# KiCad board Ultrasonic Sound Steering - Driver Rev. C.kicad_pcb (continued)
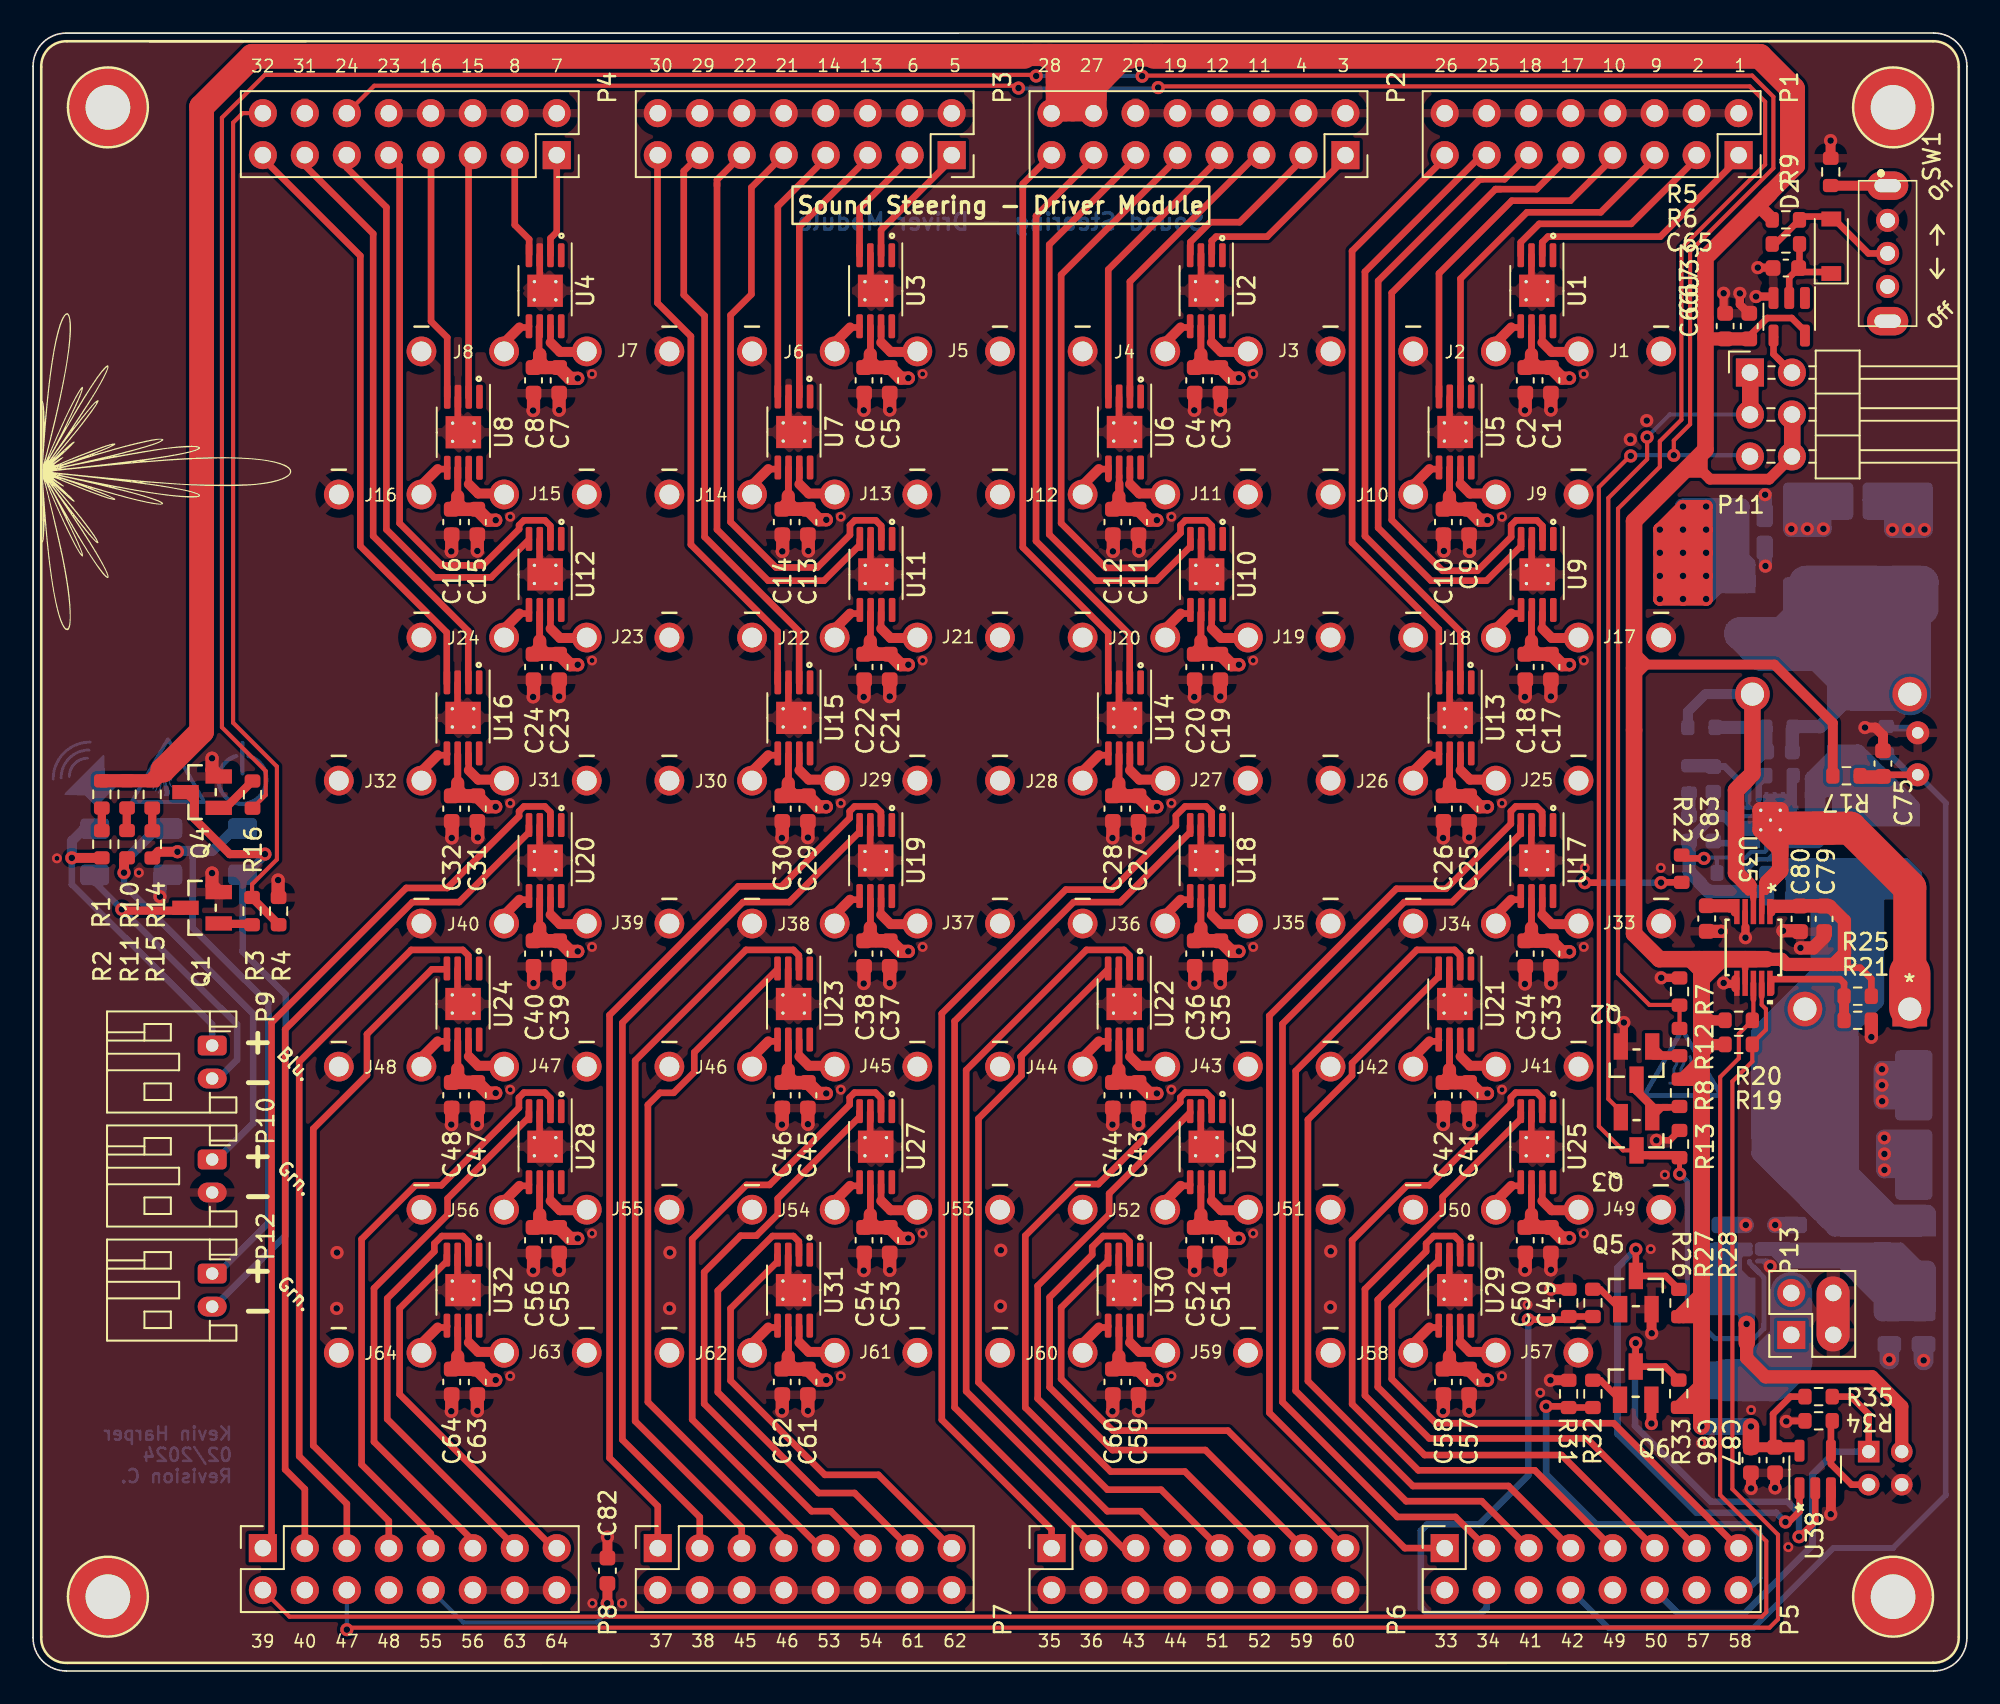
[diagram p0: board, top side]
## Routing (per net, layer and track width the routed paths; a pad name or vN(x,y) marks a point on that pad's centre or on a via; arc(x,y) is an arc through that point) (continued)
/Transducers & Drive/1: length 14.8
  Top w0.4: U1.2 91.3,86.48 91.64,86.82 98.45,86.82 103.18,91.56
/Transducers & Drive/2: length 13.5
  Top w0.4: U1.4 90,86.48 91.12,87.6 96.68,87.6 100.64,91.56
/Transducers & Drive/3: length 10.9
  Top w0.4: 79.4,91.56 74.66,86.82 71.57,86.82 71.31,86.56 71.31,85.78
/Transducers & Drive/4: length 9.7
  Top w0.4: 76.86,91.56 73,87.7 71.22,87.7 70.01,86.49 70.01,85.78
/Transducers & Drive/5: length 7.6
  Top w0.4: 55.57,91.49 51.3,87.22 U3.2 ; 55.57,91.69 P3.1
/Transducers & Drive/6: length 7.1
  Top w0.4: U3.4 50,88.52 53.03,91.56
/Transducers & Drive/7: length 6
  Top w0.4: U4.2 31.3,86.72 31.68,87.1 31.68,91.56
/Transducers & Drive/8: length 6.2
  Top w0.4: 29.14,91.56 29.14,87.53 30.01,86.66 30.01,85.76
/Transducers & Drive/9: length 21.9
  Top w0.4: 98.1,91.56 94.84,88.3 90.38,88.3 86.36,84.28 U5.2
/Transducers & Drive/10: length 20.8
  Top w0.4: U5.4 85.06,84.59 89.46,89 93,89 95.56,91.56
/Transducers & Drive/11: length 18.5
  Top w0.4: 74.02,91.46 P2.5 74.02,91.76 66.36,84.1 U6.2
/Transducers & Drive/12: length 17.2
  Top w0.4: 65.05,77.1 65.05,84.83 71.78,91.56
/Transducers & Drive/13: length 16.1
  Top w0.4: U7.2 46.36,87.42 50.49,91.56
/Transducers & Drive/14: length 15.6
  Top w0.4: 47.95,91.56 45.06,88.66 U7.4
/Transducers & Drive/15: length 14.9
  Top w0.4: 26.35,77.08 26.35,91.5 ; 26.35,91.5 P4.5 ; 26.35,91.5 26.28,91.43
/Transducers & Drive/16: length 14.8
  Top w0.4: 24.08,91.74 P4.7 ; U8.4 25.06,80.72 24.08,81.7 24.08,91.54
/Transducers & Drive/17: length 41.4
  Top w0.4: 91.31,68.47 91.31,69.31 90.98,69.65 89.71,69.65 89.42,69.35 89.42,68.64 87.38,66.6 85.28,66.6 82.2,69.68 82.2,83.42 88.48,89.7 88.78,89.7 ; P1.9 90.96,89.7 88.49,89.7
/Transducers & Drive/18: length 39.1
  Top w0.4: 90.47,91.19 90.47,91.74 89.02,90.3 87.53,90.3 ; 87.68,90.3 87.53,90.3 81.38,84.14 81.38,69.2 84.58,66 87.93,66 90.01,68.08 90.01,68.47
/Transducers & Drive/19: length 37.7
  Top w0.4: 69.24,91.56 62.2,84.52 62.2,69.48 64.9,66.77 67.31,66.77 69.42,68.88 69.42,69.36 69.71,69.65 70.98,69.65 71.31,69.32 71.31,68.48
/Transducers & Drive/20: length 35.9
  Top w0.4: 66.7,91.56 61.48,86.34 61.48,68.8 64.28,66 67.95,66 70.01,68.05 70.01,68.48
/Transducers & Drive/21: length 36.9
  Top w0.4: 51.31,68.48 51.31,69.32 50.98,69.65 49.71,69.65 49.42,69.36 49.42,68.76 47.45,66.8 44.95,66.8 42.2,69.55 42.2,82.07 43.46,83.33 43.46,89.8 P3.9 45.41,91.16
/Transducers & Drive/22: length 34.6
  Top w0.4: 41.38,89.9 41.38,90.26 P3.11 ; 41.38,90.06 41.38,69.1 44.48,66 47.85,66 50.01,68.15 50.01,68.48
/Transducers & Drive/23: length 35
  Top w0.4: 31.29,68.48 31.29,69.32 30.96,69.65 29.7,69.65 29.4,69.36 29.4,69.12 27.21,66.92 24.73,66.92 22.18,69.47 22.18,91.1 P4.9
/Transducers & Drive/24: length 35
  Top w0.4: 29.99,68.48 27.71,66.2 24.28,66.2 21.38,69.1 21.38,88.6 18.98,90.99 P4.11 18.98,91.19
/Transducers & Drive/25: length 38.1
  Top w0.4: 86.35,59.79 86.35,62.93 80.58,68.7 80.58,84.7 87.64,91.76 P1.13 87.44,91.76
/Transducers & Drive/26: length 36.3
  Top w0.4: 85.4,91.56 79.8,85.95 79.8,68.31 85.05,63.06 85.05,59.79
/Transducers & Drive/27: length 35.6
  Top w0.4: 66.34,59.79 66.34,62.73 60.68,68.4 60.68,88.08 64.16,91.56
/Transducers & Drive/28: length 34.9
  Top w0.4: 65.04,59.79 65.04,62.84 59.88,68.01 59.88,89.82 ; 59.88,89.7 59.88,90.02 P2.15
/Transducers & Drive/29: length 35.3
  Top w0.4: 46.34,59.79 46.34,62.93 40.63,68.65 40.63,82.04 39.37,83.3 39.37,90.59 ; P3.13 39.37,90.79 39.37,90.5
/Transducers & Drive/30: length 34.8
  Top w0.4: 45.04,59.79 45.04,62.93 39.8,68.18 39.8,80.79 37.78,82.81 37.78,91.54 ; P3.15 37.78,91.74
/Transducers & Drive/31: length 36.5
  Top w0.4: 16.44,91.33 P4.13 16.44,91.13 20.58,87 20.58,68.7 26.33,62.94 26.33,59.79
/Transducers & Drive/32: length 36.4
  Top w0.4: 13.9,91.56 19.8,85.66 19.8,68.09 25.03,62.86 25.03,59.79
/Transducers & Drive/33: length 61.2
  Top w0.4: 91.29,51.15 91.29,52 90.96,52.33 89.7,52.33 89.4,52.04 89.4,51.27 85.48,47.35 82.48,47.35 74.79,39.66 74.8,39.65 74.8,15.63 82.99,7.44 P5.1
/Transducers & Drive/34: length 58.6
  Top w0.4: 89.99,51.15 89.99,50.69 85.85,46.54 82.96,46.54 75.59,39.17 75.59,16.28 82.54,9.32 86.06,9.32 P5.3
/Transducers & Drive/35: length 58
  Top w0.4: P6.1 61.62,8.57 54.98,15.21 54.98,39.8 62.48,47.3 65.28,47.3 69.14,51.16 69.14,51.77 69.7,52.33 70.96,52.33 71.29,52 71.29,51.15
/Transducers & Drive/36: length 54.7
  Top w0.4: P6.3 64.16,7.55 55.75,15.95 55.75,39.33 62.96,46.54 65.77,46.54 69.99,50.76 69.99,51.15
/Transducers & Drive/37: length 56.3
  Top w0.4: P7.1 37.79,9.98 34.88,12.9 34.88,39.7 42.67,47.5 45.28,47.5 49.4,51.62 49.4,52.04 49.7,52.33 50.96,52.33 51.29,52 51.29,51.15
/Transducers & Drive/38: length 53.2
  Top w0.4: 49.99,51.15 49.99,50.79 45.75,46.54 42.96,46.54 35.65,39.23 35.65,14 40.33,9.31 P7.3
/Transducers & Drive/39: length 55.5
  Top w0.4: P8.1 14.43,7.96 14.43,39.25 22.58,47.4 25.06,47.4 29.4,51.74 29.4,52.04 29.7,52.33 30.96,52.33 31.29,52 31.29,51.15
/Transducers & Drive/40: length 52
  Top w0.4: P8.3 16.44,11.01 15.25,12.2 15.25,38.83 22.96,46.54 25.77,46.54 29.99,50.76 29.99,51.15
/Transducers & Drive/41: length 51.4
  Top w0.4: 86.33,42.47 86.33,43.31 86,43.65 83.72,43.65 76.39,36.32 76.39,16.96 83.07,10.28 87.64,10.28 P5.5
/Transducers & Drive/42: length 48.3
  Top w0.4: 85.03,42.47 85.03,42.02 79.8,36.79 79.8,36.04 77.13,33.37 77.13,17.55 83.48,11.2 89.26,11.2 P5.7
/Transducers & Drive/43: length 47.4
  Top w0.4: P6.5 65.95,7.44 56.45,16.93 56.45,36.37 63.72,43.65 66,43.65 66.34,43.3 U22.2
/Transducers & Drive/44: length 44.5
  Top w0.4: 65.03,42.47 59.74,37.18 59.8,37.12 59.8,36.04 57.2,33.44 57.2,17.47 64.99,9.67 67,9.67 P6.7
/Transducers & Drive/45: length 45.8
  Top w0.4: P7.5 42.87,8.67 36.43,15.12 36.43,36.95 43.13,43.65 46,43.65 46.33,43.31 46.33,42.47
/Transducers & Drive/46: length 42.2
  Top w0.4: 45.03,42.47 40,37.44 40,36.25 38.75,35 37.93,35 37.2,34.27 37.2,16.28 45.41,8.06 P7.7
/Transducers & Drive/47: length 44.6
  Top w0.4: P8.5 18.98,10.12 16.1,13 16.1,36.87 22.88,43.65 26,43.65 26.33,43.31 26.33,42.47
/Transducers & Drive/48: length 40.8
  Top w0.4: 25.03,42.47 24.13,42.47 20.2,38.55 20.2,36.07 16.95,32.82 16.95,13.65 21.52,9.08 P8.7
/Transducers & Drive/49: length 45.7
  Top w0.4: 91.29,33.83 91.29,34.68 90.96,35.01 89.7,35.01 89.4,34.72 89.4,34.32 84.48,29.4 83.13,29.4 79.8,26.06 79.8,16.15 83.81,12.15 90.85,12.15 P5.9
/Transducers & Drive/50: length 42.4
  Top w0.4: P5.11 92.47,13.07 84.18,13.07 80.58,16.68 80.58,23.11 85.28,27.81 85.28,28.69 90,33.42 90,33.82 89.99,33.83
/Transducers & Drive/51: length 41.7
  Top w0.4: 71.29,33.83 71.29,34.68 70.96,35.01 69.7,35.01 69.4,34.72 69.4,34.42 64.45,29.47 63.15,29.47 60.03,26.35 60.03,15.95 65,10.97 68.24,10.97 P6.9
/Transducers & Drive/52: length 38.5
  Top w0.4: P6.11 69.68,12.07 65.19,12.07 60.78,16.49 60.78,23.31 65.1,27.64 65.1,28.9 69.99,33.79 69.99,33.83
/Transducers & Drive/53: length 38.6
  Top w0.4: 51.29,33.83 51.29,34.68 50.96,35.01 49.7,35.01 49.4,34.72 49.4,34.27 44.55,29.42 43.16,29.42 39.88,26.14 39.88,15.22 47.66,7.44 P7.9
/Transducers & Drive/54: length 35.6
  Top w0.4: P7.11 48.26,9.67 47.1,9.67 40.6,16.17 40.6,24.15 42.8,26.35 43.76,26.35 45.05,27.64 45.05,28.6 49.99,33.54 49.99,33.83
/Transducers & Drive/55: length 36.9
  Top w0.4: 31.29,33.83 31.29,34.68 30.96,35.01 29.7,35.01 29.39,34.71 29.39,34.09 24.7,29.4 23.13,29.4 19.88,26.14 19.88,12.5 24.06,8.31 P8.9
/Transducers & Drive/56: length 32.8
  Top w0.4: 29.99,33.83 29.99,33.51 25.08,28.6 25.08,27.61 20.63,23.16 20.63,13.87 26.6,7.9 P8.11
/Transducers & Drive/57: length 36.4
  Top w0.4: P5.13 94,14.08 84.47,14.08 81.35,17.19 81.35,22.47 84.28,25.4 84.28,25.87 84.73,26.33 86,26.33 86.33,25.99 86.33,25.15
/Transducers & Drive/58: length 33.9
  Top w0.4: 85.03,25.15 85.03,24.85 82.2,22.02 82.2,17.68 84.88,15 95.62,15 P5.15
/Transducers & Drive/59: length 32.5
  Top w0.4: 66.33,25.15 66.33,25.99 66,26.33 64.73,26.33 64.08,25.67 64.08,25.2 61.5,22.62 61.5,17.17 65.3,13.37 70.92,13.37 P6.13
/Transducers & Drive/60: length 30.1
  Top w0.4: 65.03,25.15 65.03,24.82 62.2,21.99 62.2,17.68 65.33,14.55 72.29,14.55 P6.15
/Transducers & Drive/61: length 28.9
  Top w0.4: 46.33,25.15 46.33,25.99 46,26.33 44.73,26.33 41.43,23.02 41.43,16.87 47.53,10.77 49.7,10.77 P7.13
/Transducers & Drive/62: length 26.3
  Top w0.4: 45.03,25.15 45.03,24.77 42.2,21.94 42.2,17.58 47.9,11.87 51.14,11.87 P7.15
/Transducers & Drive/63: length 26
  Top w0.4: P8.13 29.14,7.53 21.43,15.25 21.43,22.55 24.28,25.4 24.28,25.87 24.73,26.33 26,26.33 26.33,25.99 26.33,25.15
/Transducers & Drive/64: length 22.9
  Top w0.4: 25.03,25.15 25.03,24.8 22.18,21.95 22.18,16.75 31.49,7.44 P8.15
ARRAY_DRIVE_EN: length 246.1
  Top w0.25: v1(67.1,96.54) 67.13,96.57 104,96.57 105.29,95.29 105.29,90.97 100.25,85.93 100.25,75.47 99.26,74.48 v1(99.26,73.59) ; v1(60.69,96.55) 60.62,96.62 14.02,96.62 11.43,94.02 11.43,57.12 14.08,54.47 14.08,53.02 R16.1 ; Q3.3 96.19,31.51 94.73,32.97 94.73,71.66 96.62,73.55 v1(96.66,73.55)
  Top w0.3: 99.61,30.1 R13.2
  Top w0.4: v1(93.88,47.72) 94.65,47.72 ; Q3.3 97.25,31.27 ; v1(99.62,30.09) 99.61,30.1 ; v1(98.49,47.72) 98.51,47.74 R22.2
  Top w0.5: 97.25,31.27 97.3,31.22 99.31,31.22 99.33,31.2 ; 97.81,31.22 99.82,31.22
  Bottom w0.25: v1(67.1,96.54) 67.08,96.56 60.7,96.56 v1(60.69,96.55) ; v1(96.66,73.55) 96.7,73.59 v1(99.26,73.59) 103.81,73.59 103.88,73.52
  Bottom w0.3: 104.3,24.24 104.71,23.83 104.71,20.73 ; v1(99.62,30.09) 100.08,29.63 100.08,21.8 101.76,20.12 104.1,20.12 104.71,20.73 ; 103.85,24.69 104.26,24.28 ; 104.03,24.51 104.44,24.1 ; 104.71,20.73 104.71,20.99 ; 104.71,20.73 104.51,20.53 ; 103.85,24.79 103.85,24.72
  Bottom w0.4: v1(98.49,47.72) v1(93.88,47.72)
DIGIPOT_GND: length 33.5
  Top w0.2: 104.65,47.76 104.97,47.44
  Top w0.3: U35.2 104.58,47.73 ; 104.68,47.13 104.85,47.13 ; 104.86,47.13 105.91,48.18 ; 104.6,45.87 104.6,47.62
  Top w1: 105.7,50.86 105.7,49.41 ; 104.97,47.74 105.7,48.47 REF**.1 ; 104.53,50.91 105.26,50.18 ; 104.85,50.59 105.58,49.86 ; 105.66,48.43 104.93,47.7
  Top w2: U37.1 113.54,47.42 109.94,51.02 107.83,51.02 ; 108.15,51.02 106.04,51.02 ; 108.82,51.02 106.71,51.02
  Top w2.5: 113.54,42.25 113.54,40.14
DIGIPOT_WIPER: length 22.7
  Top w0.25: 104.12,46.9 104.12,46.67 ; 104.04,46.89 104.04,46.66
  Top w0.4: 103.98,47.15 103.75,47.15 103.58,47.31 ; 104.07,47.06 104.07,46.83 ; 104.08,59.07 U37.3 ; 103.45,47.76 103.89,47.76 104.07,47.58 104.07,47.04 ; 103.44,47.46 103.6,47.3
  Top w1: 103.06,53.35 103.57,53.86 ; 103.23,53.52 103.74,54.03 ; 103.51,53.8 104.02,54.31 104.02,59.07 ; 104.21,58.94 U37.3 ; 103.54,53.83 103.03,53.32 103.03,48.3 103.77,47.56 ; 103.13,53.42 103.64,53.93
  Bottom w0.6: R30.1 100.11,58.07 101.17,59.13 U37.3
DIGPOT_SCL: length 129.8
  Top w0.25: v1(18.98,2.5) 19.1,2.62 105.05,2.62 105.57,3.14 105.57,8.25 102.81,11.01 102.81,35.69 104.01,36.89 ; R19.2 104.01,36.89 ; 104.01,37.99 104.84,38.82 104.84,40.07 104.58,40.33 104.58,40.83
  Top w0.35: 104.58,40.83 U35.9
  Bottom w0.25: P8.6 v1(18.98,2.5)
DIGPOT_SDA: length 131.8
  Top w0.25: P8.2 15.51,3.29 104.59,3.29 104.86,3.56 104.86,7.86 102.07,10.65 102.07,35.96 103.2,37.09 103.2,38.57 R20.2 104.08,39.45 104.08,40.65
  Top w0.35: U35.8 104.08,40.65
  Top w0.4: P8.2 13.93,4.9
FAN_EN: length 31.3
  Top w0.4: R27.1 R26.2 92.72,21.27 v1(90.46,21.27)
  Bottom w0.4: v1(90.46,21.27) 90.46,11.84 87.5,8.88 84.35,8.88 83.96,8.49 83.96,3.86 84.35,3.47 87.59,3.47 87.94,3.82 P5.4
FAN_PWM: length 25.6
  Top w0.4: R32.1 R31.2 92.83,16.02 v1(91.54,16.02)
  Bottom w0.4: P5.16 103.7,4.9 104.43,5.63 104.43,8.27 103.84,8.87 94.58,8.87 91.54,11.91 v1(91.54,16.02)
FAN_TACHO: length 25
  Top w0.4: R35.2 109.99,16.61 111.05,15.54 P14.1
  Bottom w0.4: P14.1 109.02,13.28 107.66,11.92 107.66,7.6 103.55,3.5 99.5,3.5 P5.12
LOAD_SWITCH_EN: length 149.4
  Top w0.25: P4.12 20.64,95.96 59.48,95.96 v1(59.62,95.82) ; 99.61,40.32 R8.1 ; v1(68.07,95.85) 68.14,95.92 103.86,95.92 104.79,94.99 104.79,91.19 99.72,86.12 99.72,75.74 98.42,74.44 98.42,72.89 95.89,70.36 95.89,42.22 97.79,40.32 99.6,40.32
  Bottom w0.25: v1(68.07,95.85) 68.01,95.79 59.65,95.79 v1(59.62,95.82)
NTC: length 77.4
  Top w0.4: 111.88,54.11 112.01,54.25 114.05,54.25
  Top w0.8: 111.88,54.11 110.61,54.11 R17.1
  Bottom w0.35: P5.8 95.32,2.6 104.07,2.6 108.91,7.44 112.52,7.44 115.72,10.64 115.72,52.55 NTC1_ALT1.1
  Bottom w0.4: NTC1.1 112.26,55.53 113.55,54.25 114.05,54.25
TX_ACTIVE: length 53
  Top w0.25: R3.1 13.25,47.62 14.75,49.12 14.75,54.75 12.1,57.4 12.1,93.72 12.68,94.3 13.65,94.3
  Top w0.3: R4.2 14.85,45.19 ; 13.25,46.78 R3.1
  Top w0.4: P4.16 13.65,94.3
  Top w0.5: R3.1 13.25,46.8 14.85,45.19
Net-(C65-Pad1): length 5.6
  Top w0.4: 106.84,84.68 108.64,84.68 ; U33.2 106.24,84.35 106.84,84.95 ; 106.87,86.43 106.87,84.7
Net-(C69-Pad2): length 113.7
  Bottom w0.2: C70.2 112.14,21.67 108.71,25.1 105.9,25.1 105.69,25.31
  Bottom w0.4: 112.8,25.58 114.69,23.69 ; 104.89,25.57 106.18,25.57 ; 105.62,25.41 111.99,25.41 ; 104.42,25.71 104.42,25.42 ; 104.37,25.67 104.37,25.38 ; 104.43,25.74 105.72,25.74 ; 111.43,25.74 113.01,25.74 114.9,23.85 ; 104.96,25.39 106.25,25.39 ; L1.1 112.33,25.74 105.96,25.74 ; 104.95,25.74 106.24,25.74 ; 104.39,25.35 105.68,25.35 ; 104.45,25.35 105.74,25.35 ; 105.08,25.48 106,24.57 107.29,24.57 ; 105.77,24.98 112.14,24.98 ; 104.47,25.71 105.76,25.71 ; 104.42,25.74 104.71,25.74 ; 105.38,25.21 111.75,25.21 ; 104.37,25.74 106.12,25.74 ; 104.37,25.35 106.12,25.35 ; 104.49,25.56 105.78,25.56 ; 106.64,24.72 113.01,24.72
  Bottom w1: 110.13,24.96 111.84,23.25 ; 112.38,23.99 111.31,23.99 ; 110.93,24.46 111.5,23.89 113.26,23.89 ; 113.26,23.89 113.13,24.02 112.26,24.02 ; 113.26,23.89 111.96,25.19 111.96,25.21 ; 113.26,23.89 113.26,23.61 114.09,22.78 ; 113.26,23.89 114.33,23.89 114.61,23.61 114.61,21.9 C71.2 C70.2 ; 113.02,23.62 111.95,23.62 ; 111.31,23.74 113.02,22.03 ; 111.52,24.78 110.45,24.78 ; 109.47,25.18 111.18,23.47 ; 110.28,24.15 111.99,22.44 ; 111.83,23.84 113.54,22.13 ; 114.61,24.35 111.33,24.35 111.31,24.33 ; 111.82,24.45 110.75,24.45 ; 112.32,23.69 114.03,21.98 ; 109.87,24.87 106.13,24.87 105.9,25.1 ; 109.23,25.29 110.94,23.58 ; 109.79,25.03 111.5,23.32 ; 112.71,24.22 114.02,24.22 114.61,23.63 ; 111.86,22.97 111.86,21.66
Net-(C72-Pad2): length 370.1
  Bottom w0.2: 106.46,48.8 105.43,49.84 ; U36.2 105.36,49.33 105.39,49.31 ; 106.51,48.59 105.48,49.63
  Bottom w0.25: R23.2 104.35,49.13 104.96,49.13 105.36,49.53 U36.2 ; 105.27,49.53 105.27,50.15 ; 105.51,49.53 105.51,50.15 ; 105.27,50.15 105.5,50.15 ; 105.51,49.39 105.51,50.01 ; 104.7,49.13 105.31,49.13 ; 105.85,49.08 106.09,49.08
  Bottom w0.4: 114.21,26.75 113.79,26.75 109.9,30.65 C81.1
  Bottom w0.6: C73.2 105.39,49.31 105.39,49.31
  Bottom w0.8: 113.89,47.19 113.89,48.12 ; 112.77,47.65 L2.1 110.85,48.29 110.85,48.43 ; 110.47,47.09 111.53,48.15 ; 106.05,48.81 110.1,48.81 ; 106.69,46.74 110.75,46.74 ; 113.12,48.25 112.19,48.25 ; 113.89,47.25 113.89,48.18 113.26,48.81 111.14,48.81 ; 106.52,46.75 110.58,46.75 ; 111.46,48.81 111.73,48.54 ; 111.39,48.44 111.03,48.81 106.97,48.81 C73.2 C72.2 ; 107.04,48.3 111.1,48.3 ; 108.01,48.81 112.07,48.81 ; 106.71,47.74 110.77,47.74 ; 106.51,47.02 110.57,47.02 ; 111.61,48.66 111.88,48.39 ; 113.87,47.09 112.94,47.09 ; 108.52,47.09 113.75,47.09 ; 106.5,47.4 110.56,47.4 ; 113.89,48.02 113.89,47.09
  Bottom w1: 108.21,30.98 108.21,29.45 107.43,28.67 107.43,28.37 109,26.8 114.16,26.8 ; 108.8,27.46 108.8,29.4 ; 106,38.32 106,33.57 ; 110.13,41.92 110.13,47.41 ; 110.7,40.37 110.7,45.86 ; 107.65,30.55 109.47,28.74 109.47,26.8 114.15,26.8 L1.2 114.61,27.25 114.61,27.71 ; 106.88,35.37 106.88,30.62 ; 111.76,27.15 109.11,29.8 ; 106.23,39.87 104.61,38.25 ; 110.79,27.11 110.79,29.05 ; 109,31.13 109.92,30.2 ; 107.43,28.5 107.43,28.9 ; 109.14,39.81 108.68,40.28 107.41,40.28 U37.2 107.01,40.26 106.07,40.26 ; 109.14,39.81 109.95,39.01 ; 109.14,39.81 111.49,42.16 L2.1 111.49,40.55 109.95,39.01 ; 108.66,31.47 109.58,30.54 109.95,30.91 109.95,39.01 ; 112.69,27.01 110.04,29.66 ; 109.77,39.48 109.77,44.97 ; 110.06,41.91 110.06,47.4 ; 106.87,40.14 105.25,38.52 ; 109.3,26.91 109.3,28.85 ; 110.09,40.08 110.09,45.57 ; 114.61,27.72 112.67,27.72 ; 107.79,35.24 107.79,30.49 ; 106.07,40.26 108.02,42.21 108.02,46.59 108.52,47.09 ; 106.07,40.26 104.45,38.64 104.45,32.38 106.18,30.65 C81.1 ; 105.58,37.47 105.58,32.72 ; 106,30.83 107.73,29.1 ; 112.19,27.5 109.54,30.15 ; 109.65,41.92 109.65,47.41 ; 109.09,39.3 109.09,44.79 ; 106.43,35.92 106.43,31.17 ; 107.42,40.24 105.8,38.62 ; 108.93,41.66 108.93,47.15 ; 106.17,38.72 106.17,33.97 ; 107.98,27.81 104.46,31.34 104.46,33.8 ; 107.83,35.99 107.83,41.48 ; 109.37,27.31 109.37,29.25 ; 110.61,41.91 110.61,47.4 ; 106.67,38.9 106.67,34.15 ; 111.98,27.48 109.33,30.13 ; 108.24,27.8 108.24,29.74 ; 105.41,31.42 107.14,29.69 ; 107.39,39.41 105.77,37.79 ; 107.79,39.15 106.17,37.53 ; 114.45,27.72 112.51,27.72 ; 108.54,38.98 108.54,44.47 ; 106.65,39.3 106.65,34.55 ; 107.17,39.2 107.17,34.45 ; 106.76,37.13 106.76,32.38 ; 106,37.18 106,32.43 ; 108.36,35.6 108.36,41.09 ; 105.4,37.23 105.4,32.48 107.2,30.68 ; 110.22,27.23 110.22,29.17 ; 106.48,39.77 104.86,38.15 ; 108.56,27.27 108.56,29.21 ; 106.64,39.07 105.02,37.45 ; 112.41,27.31 109.76,29.96 ; 109.33,36.03 109.33,41.52 ; 106.41,39.38 104.79,37.76
  Bottom w2: 108.05,39.21 108.86,38.41 109.14,38.41 109.47,38.08 109.47,28.74 ; 108.05,39.21 C78.1 C81.1 ; 108.05,39.21 U37.2
Net-(C74-Pad2): length 1.4
  Bottom w0.8: C74.2 R18.1
Net-(C76-Pad2): length 7.3
  Bottom w0.25: 103.22,51.75 103.62,51.75 ; 103.33,51.75 103.73,51.75
  Bottom w0.3: 103.12,51.84 103.15,51.81 ; 103.11,53.73 103.11,51.85 ; 103.16,51.8 103.19,51.77
  Bottom w0.4: 103.12,52.64 103.12,53.72 103.11,53.72 103.11,53.98 102.35,54.74 C76.2
  Bottom w0.8: R18.2 101.6,54.79
Net-(C77-Pad2): length 2.6
  Bottom w0.4: C77.2 101.77,50.11 104.23,50.11
Net-(C83-Pad1): length 3.1
  Top w0.2: 102.9,46.02 102.63,46.02 ; 102.96,46.62 102.69,46.62 ; 102.87,46.62 102.6,46.62 ; 102.86,46.02 102.59,46.02
  Top w0.5: 102.96,46.48 102.96,45.92
  Top w0.8: 102.65,46.32 101.26,46.32 101.25,46.32
Net-(C84-Pad1): length 8.8
  Bottom w0.2: 104.88,55.5 C84.1 ; 103.75,52.3 U36.8
  Bottom w0.3: 103.75,53.08 103.75,52.3
  Bottom w0.4: 104.83,55.71 C84.1 ; 104.88,55.5 104.81,55.5 103.76,54.45 103.76,52.73
  Bottom w0.8: R30.2 101.76,57.12 R29.1 104.83,55.71
Net-(C84-Pad2): length 109.5
  Bottom w0.4: 112.44,62.17 112.35,62.26 ; 111.17,63.44 111.08,63.53 ; 107.3,65.09 108.35,65.09 106.72,65.09 ; 106.52,57.16 106.43,57.07 R29.2
  Bottom w0.8: 112.99,58.58 112.93,58.53 110.1,58.53 110.04,58.58 ; 106.52,57.16 108.12,57.16 109.31,58.35 109.31,59.31 ; 109.12,60.32 108.38,61.06 ; 109.31,59.31 109.31,60.79 108.57,61.53 ; 109.31,59.31 109.31,59.64 111.17,61.5 ; 109.31,59.31 109.31,59.4 107.18,61.54 ; 109.52,60.39 108.78,61.13 ; 109.37,59.8 112.31,59.8 ; 109.76,59.03 112.7,59.03 ; C84.2 106.43,57.07 ; 109.53,59.36 112.47,59.36 ; 109.47,60.14 112.41,60.14 ; 112.99,58.58 U37.4
  Bottom w1: 108.35,65.09 108.35,63.22 112.45,59.13 U37.4
  Bottom w2: 107.22,65.9 111.21,65.9 ; 107.22,61.77 107.22,65.76 ; 109.05,65.9 107.47,65.9 ; 110.65,65.9 109.06,65.9 ; 105.08,62.03 107.9,64.85 ; 105.9,62.8 109.89,62.8 ; 111.48,65.9 109.89,65.9 ; 107.35,65.9 111.34,65.9 ; 107.3,65.09 107.3,62.8 L3.1 104.57,61.53 108.57,61.53 ; 107.18,61.54 111.17,61.54 ; 114.28,65.89 114.28,64.3 ; 114.15,65.9 112.56,65.9 ; 112.91,65.9 111.32,65.9 ; 112.7,65.9 114.28,65.9
  Bottom w2.54: 111.84,63.59 109.9,63.59 ; 111.17,63.44 111.17,61.5 U37.4 113.54,64.71 ; 111.77,64.94 109.83,64.94 ; 112.44,60.23 112.44,62.17 ; 112.59,62.99 110.65,62.99
Net-(D1-Pad1): length 20.7
  Top w0.5: v1(5.37,46.1) 5.45,46.02 9.05,46.02 Q1.3
  Bottom w0.4: D1.1 3.73,47.75 v1(5.37,46.1) 12.35,39.13 12.35,37 11.21,35.86 P9.2
Net-(D1-Pad2): length 19.4
  Top w0.6: R2.2 2.34,49.22 v1(2.34,49.22)
  Bottom w0.4: P9.1 10.84,39.13 2.34,47.62 v1(2.34,49.22)
  Bottom w0.6: v1(2.34,49.22) 2.34,50.24 3.09,50.99 D1.2
Net-(D2-Pad2): length 8.5
  Top w0.4: 108.64,88.04 107.06,88.04 105.21,86.19 ; D2.2 108.95,87.89 111.04,85.81 SW1.2
Net-(D3-Pad2): length 26.9
  Top w0.6: v1(5.5,48.32) 5.5,49.04 R11.2
  Bottom w0.4: P10.1 11.12,30.96 13.32,33.16 13.32,39.78 5.5,47.59 v1(5.5,48.32)
  Bottom w0.6: D3.2 7.5,51 5.5,49 v1(5.5,48.32)
Net-(D4-Pad1): length 42.3
  Top w0.5: 9.78,52.3 9.78,53.37 ; v1(14.03,49.45) 11.9,49.45 9.75,51.59 9.75,52.66 Q4.3 ; 9.75,52.02 9.75,53.1 ; 9.78,51.67 9.78,52.75 ; 9.78,52.05 9.78,53.12
  Bottom w0.4: P12.2 10.96,22.06 15.29,26.39 15.29,40.94 12.68,43.55 D4.1
  Bottom w0.5: D4.1 12.85,48.2 14.03,49.37 v1(14.03,49.45)
Net-(D4-Pad2): length 36.6
  Top w0.6: v1(8.74,49.59) 7.59,49.59 R15.2
  Bottom w0.4: v1(8.74,49.59) 9.94,49.59 9.65,49.3 9.65,44.99 14.24,40.41 14.24,27.12 11.17,24.06 P12.1
  Bottom w0.6: v1(8.74,49.59) 8.8,49.65 10.85,49.65 12.2,51 D4.2
Net-(D5-Pad2): length 66.8
  Bottom w0.4: 107.99,50.78 107.99,50.01 ; 109.31,54.96 108.44,54.08 108.44,53.86 ; 109.31,54.96 109.03,54.67 109.03,52.55 109.75,51.82 L2.2 113.03,53.36 111.43,54.96 109.31,54.96 ; 110.69,51.95 109.26,53.38 ; 112.01,54.38 113.64,52.76 113.64,52.68 ; 106.74,50.66 106.19,50.11 ; 113.91,52.49 112.28,54.11 ; 105.96,50.11 105.96,50.21 U36.16 ; U36.16 106.71,50.56 106.92,50.56 ; U36.16 106.51,51.11 106.51,51.12 ; 110.62,51.74 109.19,53.17 ; 106.72,50.01 105.95,50.01 ; 107.36,50.01 106.59,50.01 ; 110.6,51.58 109.17,53.01 ; 110.58,51.46 109.15,52.89 ; 107.99,50.93 107.99,50.16 ; 107.34,51.63 106.79,51.08 ; 107.98,50.01 107.21,50.01 ; 107.07,50.01 107.83,50.01 107.91,50.09 ; 111.78,53.28 110.35,54.71
  Bottom w1: 109.15,53.41 108.09,53.41 ; 108.11,53.53 108.86,54.28 ; 108.96,54.04 107.7,52.78 ; 106.92,50.56 107.69,51.33 107.69,53.11 108.44,53.86 107.93,53.35 107.93,50.3 ; 106.6,50.68 107.69,50.68 ; 107.7,52.93 108.96,54.19 ; 107.69,52.9 107.69,54.02 108.95,55.28 ; 109.86,52.47 108.6,53.73 ; 109.14,55.59 110.39,55.59 111.13,54.85 ; 107.69,50.68 107.69,51.76
  Bottom w1.8: 112.43,52.62 110.99,54.05 ; 111.25,52.61 109.82,54.04 ; 112.97,52.13 111.53,53.56 ; 111.85,53.56 110.41,54.99
Net-(F1-Pad2): length 12.4
  Bottom w2.54: 102.41,17.6 104.04,17.6 ; 104.19,17.89 106.37,20.07 P13.1 ; P13.1 106.37,18.72 105.25,17.6 103.62,17.6 ; P13.1 106.37,20.25 ; P13.1 106.37,22.88
Net-(J1-Pad1): length 3.3
  Top w0.4: U1.7 91.3,80.42 91.31,80.41
  Top w0.6: 91.31,80.41 91.88,79.85 93.43,79.85
Net-(J2-Pad1): length 2.4
  Top w0.4: U1.5 89.93,81.33 89.43,81.33
  Top w0.6: 88.5,79.87 88.5,80.4 89.43,81.33
Net-(J3-Pad1): length 3.3
  Top w0.4: U2.7 71.3,80.42 71.31,80.41
  Top w0.6: 71.31,80.41 71.88,79.85 73.43,79.85
Net-(J4-Pad1): length 2.4
  Top w0.4: 69.43,81.33 69.93,81.33 U2.5
  Top w0.6: 69.43,81.33 68.5,80.4 68.5,79.87
Net-(J5-Pad1): length 3.3
  Top w0.4: U3.7 51.3,80.42 51.31,80.41
  Top w0.6: 51.31,80.41 51.88,79.85 53.43,79.85
Net-(J6-Pad1): length 2.4
  Top w0.4: U3.5 49.93,81.33 49.43,81.33
  Top w0.6: 49.43,81.33 48.5,80.4 48.5,79.87
Net-(J7-Pad1): length 3.4
  Top w0.4: 31.31,80.41 31.3,80.42 U4.7
  Top w0.6: 31.31,80.41 31.88,79.85 33.43,79.85 33.45,79.83
Net-(J8-Pad1): length 2.4
  Top w0.4: 29.43,81.33 29.93,81.33 U4.5
  Top w0.6: 28.5,79.87 28.5,80.4 29.43,81.33
Net-(J9-Pad1): length 3.3
  Top w0.4: 86.35,72.82 86.35,71.85 86.36,71.84
  Top w0.6: 86.36,71.84 86.93,71.27 88.48,71.27
Net-(J10-Pad1): length 2.4
  Top w0.4: 85.05,72.82 84.98,72.75 84.48,72.75
  Top w0.6: 84.48,72.75 83.55,71.82 83.55,71.3
Net-(J11-Pad1): length 3.3
  Top w0.4: 66.36,71.84 66.35,71.85 66.35,72.82
  Top w0.6: 68.48,71.27 66.93,71.27 66.36,71.84
Net-(J12-Pad1): length 3.2
  Top w0.4: 65.06,72.92 65.06,72.15 ; 64.48,72.75 64.98,72.75 65.05,72.82
  Top w0.6: 64.48,72.75 63.55,71.82 63.55,71.3
Net-(J13-Pad1): length 3.3
  Top w0.4: 46.35,72.82 46.35,71.85
  Top w0.6: 46.36,71.84 46.93,71.27 48.48,71.27
Net-(J14-Pad1): length 2.3
  Top w0.4: 44.48,72.75 44.98,72.75
  Top w0.6: 44.48,72.75 43.55,71.82 43.55,71.3
Net-(J15-Pad1): length 3.3
  Top w0.4: 26.35,72.82 26.35,71.85
  Top w0.6: 26.36,71.84 26.93,71.27 28.48,71.27
Net-(J16-Pad1): length 2.4
  Top w0.4: 24.48,72.75 24.98,72.75 25.05,72.82
  Top w0.6: 23.55,71.3 23.55,71.82 24.48,72.75
Net-(J17-Pad1): length 3.3
  Top w0.4: 91.3,64.08 91.3,63.1 91.31,63.09
  Top w0.6: 91.31,63.09 91.88,62.53 93.43,62.53
Net-(J18-Pad1): length 2.4
  Top w0.4: 90,64.08 89.93,64.01 89.43,64.01
  Top w0.6: 89.43,64.01 88.5,63.08 88.5,62.55
Net-(J19-Pad1): length 3.3
  Top w0.4: 71.3,64.08 71.3,63.1 71.31,63.09
  Top w0.6: 71.31,63.09 71.88,62.53 73.43,62.53
Net-(J20-Pad1): length 2.4
  Top w0.4: 70,64.08 69.93,64.01 69.43,64.01
  Top w0.6: 68.5,62.55 68.5,63.08 69.43,64.01
Net-(J21-Pad1): length 3.3
  Top w0.4: 51.3,64.08 51.3,63.1 51.31,63.09
  Top w0.6: 53.43,62.53 51.88,62.53 51.31,63.09
Net-(J22-Pad1): length 2.4
  Top w0.4: 49.43,64.01 49.93,64.01 50,64.08
  Top w0.6: 49.43,64.01 48.5,63.08 48.5,62.55
Net-(J23-Pad1): length 3.3
  Top w0.4: 31.3,64.08 31.3,63.1 31.31,63.09
  Top w0.6: 33.43,62.53 31.88,62.53 31.31,63.09
Net-(J24-Pad1): length 2.4
  Top w0.4: 29.43,64.01 29.93,64.01 30,64.08
  Top w0.6: 28.5,62.55 28.5,63.08 29.43,64.01
Net-(J25-Pad1): length 3.3
  Top w0.4: 86.36,54.52 86.35,54.53 86.35,55.5
  Top w0.6: 86.36,54.52 86.93,53.95 88.48,53.95
Net-(J26-Pad1): length 2.4
  Top w0.4: 85.05,55.5 84.98,55.43 84.48,55.43
  Top w0.6: 84.48,55.43 83.55,54.5 83.55,53.98
Net-(J27-Pad1): length 3.3
  Top w0.4: 66.36,54.52 66.35,54.53 66.35,55.5
  Top w0.6: 68.48,53.95 66.93,53.95 66.36,54.52
Net-(J28-Pad1): length 2.4
  Top w0.4: 65.05,55.5 64.98,55.43 64.48,55.43
  Top w0.6: 64.48,55.43 63.55,54.5 63.55,53.98
Net-(J29-Pad1): length 3.3
  Top w0.4: 46.35,55.5 46.35,54.53 46.36,54.52
  Top w0.6: 46.36,54.52 46.93,53.95 48.48,53.95
Net-(J30-Pad1): length 2.4
  Top w0.4: 45.05,55.5 44.98,55.43 44.48,55.43
  Top w0.6: 43.55,53.98 43.55,54.5 44.48,55.43
Net-(J31-Pad1): length 3.3
  Top w0.4: 26.36,54.52 26.35,54.53 26.35,55.5
  Top w0.6: 28.48,53.95 26.93,53.95 26.36,54.52
Net-(J32-Pad1): length 2.4
  Top w0.4: 24.48,55.43 24.98,55.43 25.05,55.5
  Top w0.6: 24.48,55.43 23.55,54.5 23.55,53.98
Net-(J33-Pad1): length 3.3
  Top w0.4: 91.31,45.77 91.3,45.78 91.3,46.76
  Top w0.6: 93.43,45.21 91.88,45.21 91.31,45.77
Net-(J34-Pad1): length 2.4
  Top w0.4: 89.43,46.69 89.93,46.69 90,46.76
  Top w0.6: 88.5,45.23 88.5,45.76 89.43,46.69
Net-(J35-Pad1): length 3.3
  Top w0.4: 71.3,46.76 71.3,45.78 71.31,45.77
  Top w0.6: 73.43,45.21 71.88,45.21 71.31,45.77
Net-(J36-Pad1): length 2.4
  Top w0.4: 69.43,46.69 69.93,46.69 70,46.76
  Top w0.6: 69.43,46.69 68.5,45.76 68.5,45.23
Net-(J37-Pad1): length 3.3
  Top w0.4: 51.3,46.76 51.3,45.78 51.31,45.77
  Top w0.6: 53.43,45.21 51.88,45.21 51.31,45.77
Net-(J38-Pad1): length 2.4
  Top w0.4: 50,46.76 49.93,46.69 49.43,46.69
  Top w0.6: 48.5,45.23 48.5,45.76 49.43,46.69
Net-(J39-Pad1): length 3.3
  Top w0.4: 31.31,45.77 31.3,45.78 31.3,46.76
  Top w0.6: 33.43,45.21 31.88,45.21 31.31,45.77
Net-(J40-Pad1): length 2.4
  Top w0.4: 30,46.76 29.93,46.69 29.43,46.69
  Top w0.6: 29.43,46.69 28.5,45.76 28.5,45.23
Net-(J41-Pad1): length 3.3
  Top w0.4: 86.36,37.2 86.35,37.21 86.35,38.18
  Top w0.6: 86.36,37.2 86.93,36.63 88.48,36.63
Net-(J42-Pad1): length 2.4
  Top w0.4: 85.05,38.18 84.98,38.11 84.48,38.11
  Top w0.6: 83.55,36.66 83.55,37.18 84.48,38.11
Net-(J43-Pad1): length 3.3
  Top w0.4: 66.36,37.2 66.35,37.21 66.35,38.18
  Top w0.6: 68.48,36.63 66.93,36.63 66.36,37.2
Net-(J44-Pad1): length 2.4
  Top w0.4: 64.48,38.11 64.98,38.11 65.05,38.18
  Top w0.6: 63.55,36.66 63.55,37.18 64.48,38.11
Net-(J45-Pad1): length 3.3
  Top w0.4: 46.35,38.18 46.35,37.21 46.36,37.2
  Top w0.6: 46.36,37.2 46.93,36.63 48.48,36.63
Net-(J46-Pad1): length 2.4
  Top w0.4: 45.05,38.18 44.98,38.11 44.48,38.11
  Top w0.6: 44.48,38.11 43.55,37.18 43.55,36.66
Net-(J47-Pad1): length 3.3
  Top w0.4: 26.36,37.2 26.35,37.21 26.35,38.18
  Top w0.6: 26.36,37.2 26.93,36.63 28.48,36.63
Net-(J48-Pad1): length 2.4
  Top w0.4: 24.48,38.11 24.98,38.11 25.05,38.18
  Top w0.6: 23.55,36.66 23.55,37.18 24.48,38.11
Net-(J49-Pad1): length 3.3
  Top w0.4: 91.3,29.44 91.3,28.46 91.31,28.45
  Top w0.6: 93.43,27.89 91.88,27.89 91.31,28.45
Net-(J50-Pad1): length 2.4
  Top w0.4: 90,29.44 89.93,29.37 89.43,29.37
  Top w0.6: 89.43,29.37 88.5,28.44 88.5,27.91
Net-(J51-Pad1): length 3.3
  Top w0.4: 71.3,29.44 71.3,28.46 71.31,28.45
  Top w0.6: 71.31,28.45 71.88,27.89 73.43,27.89
Net-(J52-Pad1): length 2.4
  Top w0.4: 70,29.44 69.93,29.37 69.43,29.37
  Top w0.6: 69.43,29.37 68.5,28.44 68.5,27.91
Net-(J53-Pad1): length 3.3
  Top w0.4: 51.3,29.44 51.3,28.46 51.31,28.45
  Top w0.6: 51.31,28.45 51.88,27.89 53.43,27.89
Net-(J54-Pad1): length 2.4
  Top w0.4: 49.43,29.37 49.93,29.37 50,29.44
  Top w0.6: 48.5,27.91 48.5,28.44 49.43,29.37
Net-(J55-Pad1): length 3.3
  Top w0.4: 31.31,28.45 31.3,28.46 31.3,29.44
  Top w0.6: 31.31,28.45 31.88,27.89 33.43,27.89
Net-(J56-Pad1): length 2.4
  Top w0.4: 30,29.44 29.93,29.37 29.43,29.37
  Top w0.6: 29.43,29.37 28.5,28.44 28.5,27.91
Net-(J57-Pad1): length 3.3
  Top w0.4: 86.36,19.88 86.35,19.89 86.35,20.86
  Top w0.6: 86.36,19.88 86.93,19.31 88.48,19.31
Net-(J58-Pad1): length 2.4
  Top w0.4: 85.05,20.86 84.98,20.79 84.48,20.79
  Top w0.6: 83.55,19.34 83.55,19.86 84.48,20.79
Net-(J59-Pad1): length 3.3
  Top w0.4: 66.36,19.88 66.35,19.89 66.35,20.86
  Top w0.6: 66.36,19.88 66.93,19.31 68.48,19.31
Net-(J60-Pad1): length 2.4
  Top w0.4: 64.48,20.79 64.98,20.79 65.05,20.86
  Top w0.6: 64.48,20.79 63.55,19.86 63.55,19.34
Net-(J61-Pad1): length 3.3
  Top w0.4: 46.36,19.88 46.35,19.89 46.35,20.86
  Top w0.6: 48.48,19.31 46.93,19.31 46.36,19.88
Net-(J62-Pad1): length 2.4
  Top w0.4: 44.48,20.79 44.98,20.79 45.05,20.86
  Top w0.6: 44.48,20.79 43.55,19.86 43.55,19.34
Net-(J63-Pad1): length 3.3
  Top w0.4: 26.36,19.88 26.35,19.89 26.35,20.86
  Top w0.6: 26.36,19.88 26.93,19.31 28.48,19.31
Net-(J64-Pad1): length 2.4
  Top w0.4: 24.48,20.79 24.98,20.79 25.05,20.86
  Top w0.6: 23.55,19.34 23.55,19.86 24.48,20.79
Net-(P11-Pad1): length 52.5
  Top w0.25: v1(97.65,74.69) 97.65,73.35 95.3,71 95.3,34.62 96.06,33.87 Q3.2
  Top w1: 103.89,78.6 103.89,76.06
  Bottom w0.25: 103.88,75.56 103.38,76.06 ; v1(97.65,74.69) 99.02,76.06 103.88,76.06
Net-(P11-Pad2): length 4.7
  Top w0.4: 105.38,80.75 U33.4 105.29,79.71 P11.2 ; P11.2 106.42,78.6 ; P11.2 105.56,79.44 ; 106.49,78.1 106.5,78.1 ; 105.97,78.55 106.42,78.1
Net-(P14-Pad2): length 5.5
  Top w0.4: P14.2 110.02,11.28 108.77,12.53 U38.4 108.77,15.06 108.85,15.14
Net-(Q1-Pad1): length 1.8
  Top w0.5: 11.38,45.22 13.2,45.22
Net-(Q2-Pad1): length 3
  Top w0.5: Q2.1 98.51,37.25 99.6,37.25 R8.2 ; 99.14,37.25 98.05,37.25
Net-(Q2-Pad3): length 5.6
  Top w0.4: 97.96,34.18 Q3.1 98.56,34.12 99.56,34.12 R12.1 ; 98.93,34.12 97.93,34.12 ; Q2.3 97.01,35.13
  Top w0.5: 97.01,35.13 97.01,35.12 97.95,34.18
Net-(Q4-Pad1): length 2.7
  Top w0.5: Q4.1 11.65,52.25 R16.2
Net-(Q5-Pad1): length 2.1
  Top w0.4: Q5.1 94.81,23.11 R27.2
Net-(Q5-Pad3): length 31.2
  Top w0.4: v1(106.02,9.02) 106.23,9.02 106.87,9.66 U38.1 106.87,10.96 ; v1(96.97,25.53) Q5.3 98.76,23.91 R28.2
  Bottom w0.4: v1(96.97,25.53) 95.86,24.42 95.86,14.35 100.63,9.58 105.46,9.58 v1(106.02,9.02)
Net-(Q6-Pad1): length 2.1
  Top w0.4: R32.2 94.83,17.6 Q6.1
Net-(Q6-Pad3): length 26.3
  Top w0.4: v1(96.96,19.86) Q6.3 98.74,18.43 R33.2 ; U38.2 107.82,9.06 106.89,8.13 v1(106.84,8.13)
  Bottom w0.4: v1(96.96,19.86) 96.92,19.82 96.92,14.83 101.51,10.25 106.14,10.25 106.84,9.55 v1(106.84,8.13)
Net-(R1-Pad1): length 1.2
  Top w0.5: R1.1 4.16,51
Net-(R9-Pad2): length 3.4
  Top w0.4: 108.77,89.91 R9.2
  Top w0.6: SW1.5 108.77,89.91
Net-(R10-Pad2): length 1.2
  Top w0.5: 5.67,52.17 5.67,50.94
Net-(R14-Pad2): length 1.2
  Top w0.5: R14.2 7.21,51
Net-(R21-Pad2): length 8.1
  Top w0.4: R21.2 109.56,41.63 109.32,41.88 105.15,41.88 105.15,41.06 ; 105.11,41.08 105.11,41.65
  Top w0.6: R25.2 R21.2
Net-(R22-Pad1): length 6.7
  Top w0.4: v1(101.09,49.19) 99.94,49.19 R22.1
  Bottom w0.2: v1(101.09,49.19) 101.14,49.24
  Bottom w0.25: 101.14,49.24 103.6,49.24 103.94,49.58 104.77,49.58 104.86,49.67 104.86,50.11 ; R23.1 101.87,49.14
Net-(R24-Pad2): length 6
  Bottom w0.2: 104.32,53.38 104.32,53.74 104.57,53.99 ; 104.34,53.05 104.34,53.41 ; 104.48,53.37 104.48,53.73 ; 104.48,52.79 104.48,53.15 ; 104.48,52.71 104.48,53.07 ; 104.48,53.21 104.48,53.57 ; U36.9 104.36,53.26 104.42,53.32 ; 104.32,52.96 104.32,53.32 ; 104.32,52.71 104.32,53.07 ; 104.35,53.11 104.35,53.47 ; 104.36,53.1 104.36,53.46 ; 104.48,52.96 104.48,53.32 ; 104.32,53.25 104.32,53.61 ; 104.32,52.76 104.32,53.12
  Bottom w0.4: 104.83,54.1 104.83,54.1 104.42,53.69

## Copper pours and planes (outline as drawn; the poured copper is in the pictures)
GND on Top: 124.66,-2.37 -3.54,-2.37 -3.54,101.88 124.66,101.88
GND on In1.Cu: 124.71,-2.39 -3.49,-2.39 -3.49,101.86 124.71,101.86
GND on In2.Cu: 124.63,-2.39 -3.79,-2.39 -3.79,101.86 124.63,101.86
+VSW on Bottom: 124.63,-2.39 -3.74,-2.39 -3.74,101.86 124.63,101.86

## Text on the board
Bottom: Kevin Harper / 02/2024 / Revision C. | Sound Steering - Driver Module
B.Silkscreen: 32 | 39 | 31 | 40 | 24 | 47 | 23 | 48 | 16 | 55 | J16 | 15 | 56 | 8 | 63 | J40 | 7 | 64 | 30 | 37 | 29 | 38 | 22 | 45 | 21 | 46 | 14 | 53 | 13 | 54 | 6 | 61 | 5 | 62 | 28 | 35 | 27 | 36 | 20 | 43 | 19 | 44 | 12 | 51 | 11 | 52 | 4 | 59 | 3 | 60 | 26 | 33 | 25 | 34 | 18 | 41 | 17 | 42 | 10 | 49 | 9 | 50 | 2 | 57 | 1 | 58 | Kevin Harper / 02/2024 / Revision C. | Device On | Device Off | *See rear* | TX Enable | TX Disable | [J1.......J8] / [J9.....J16] / [J17...J24] / [J25...J32] / [J33...J40] / [J41...J48] / [J49...J56] / [J57...J64] | * | Sound Steering - Driver Module
F.Silkscreen: 39 | 32 | 40 | 31 | 47 | 24 | 48 | 23 | 55 | 16 | 56 | 15 | 63 | 8 | 64 | 7 | 37 | 30 | 38 | 29 | 45 | 22 | 46 | 21 | 53 | 14 | 54 | 13 | 61 | 6 | 62 | 5 | 35 | 28 | 36 | 27 | 43 | 20 | 44 | 19 | 51 | 12 | 52 | 11 | 59 | 4 | 60 | 3 | 33 | 26 | 34 | 25 | 41 | 18 | 42 | 17 | 49 | 10 | 50 | 9 | 57 | 2 | 58 | 1 | Grn. | On | Off | Blu. | * | Sound Steering - Driver Module | + / -
